# Altium PCB cheriot-test.PcbDoc (part 4 of 12) (continued)
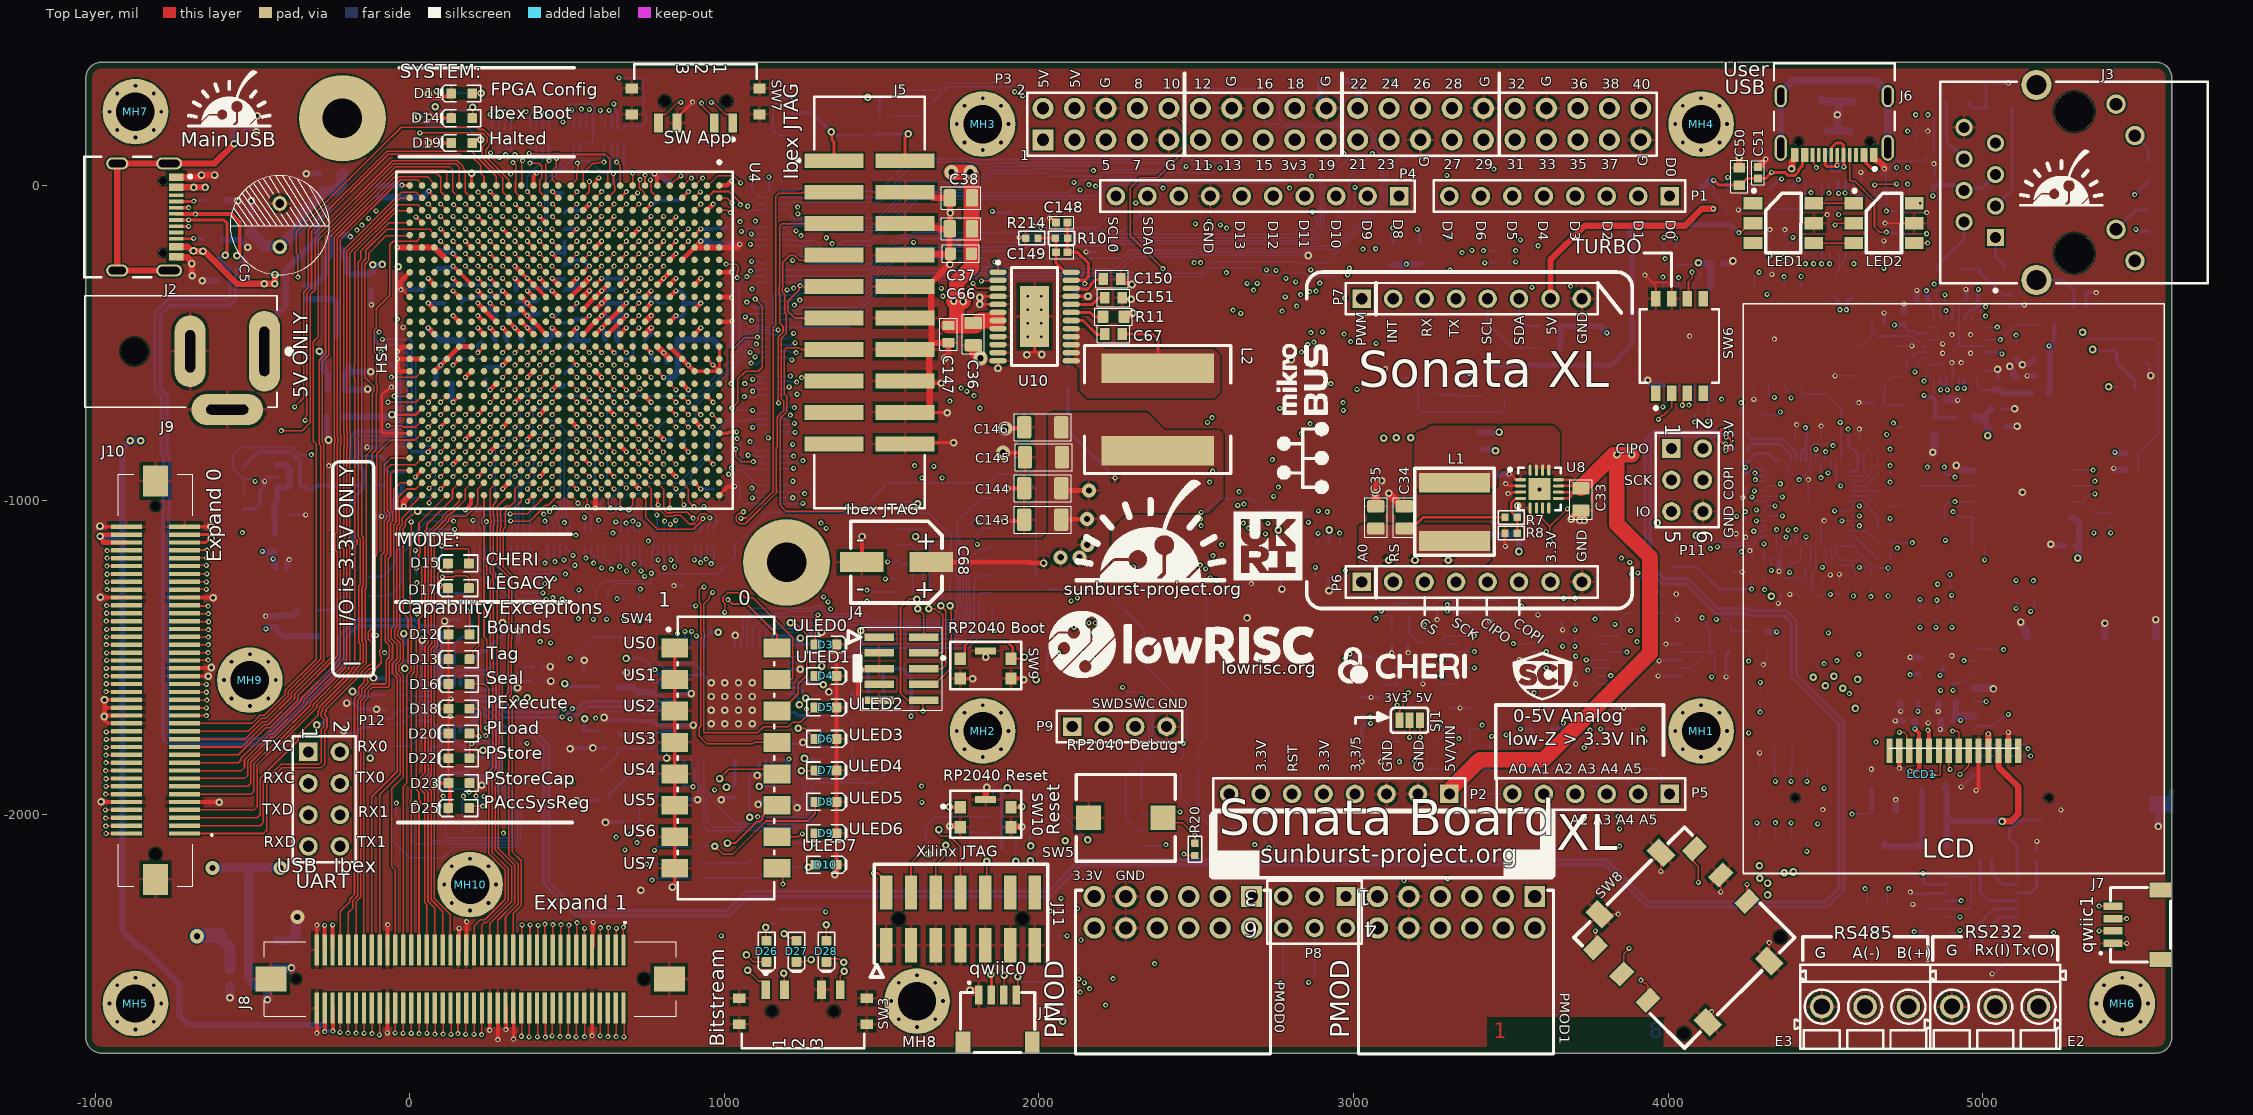
[diagram p0: Top Layer view]
## Nets (pads, with @x,y where several pads share a name; then routed paths per layer and width w, separated by ;. In a path a pad name is that pad's centre, name@x,y a point inside that pad or via, vN(x,y) a via of type N, cw(c..) or ccw(c..) an arc to the next point about the centre after c; other vN are vias at no path point) (continued)
  Int4 (Sign) w5: v1(649.61,-255.91) 628,-234.3 628,-203 621,-196 599,-196 590,-187 590,-42.93 593.8,-39.13 744.77,-39.13 790.86,6.96 790.86,9.81 803.67,22.62 803.67,72.89 821.79,91 1128.28,91 1203,16.28 1203,-130.94 1202.54,-131.4 1202.54,-154.64 1203,-155.1 1203,-159 1246.5,-202.5 1253.7,-202.5 1274.5,-223.3 1274.5,-230.5 1400.43,-356.43 1491.43,-356.43 1617,-481.99 1617,-789.86 1709,-881.86 1709,-1190.71 1875.29,-1357 2064.34,-1357 2100.84,-1320.5 v1(2102.51,-1320.5)
  Bottom Layer w5: v1(3904,-1230.98) 3906.1,-1233.09 3906.1,-1238.1 3934.19,-1266.19 3946.27,-1266.19 R117.2@3986.3,-1306.22
ANALOG5_P: C107.1 R114.2 U4.L8 | length 5013.3
  Top Layer w5: U4.L8@590.55,-275.59 v1(610.24,-255.91)
  Int1 (Sign) w5: v1(2122,-1311) 2138.58,-1294.42 2286.19,-1294.42 2289.63,-1297.86 2397.11,-1297.86 2409.82,-1285.15 2409.82,-1282.61 2421.42,-1271 2571.42,-1271 2580.61,-1261.81 2618.46,-1261.81 2639.08,-1241.19 2662.17,-1241.19 2669.17,-1234.19 2682.01,-1234.19 2689.02,-1241.19 2846.93,-1241.19 2891.5,-1285.76 2891.5,-1291.22 2908.78,-1308.5 2933.22,-1308.5 2934.77,-1306.95 3525.93,-1306.95 3556.35,-1337.37 3641.76,-1337.37 3652.76,-1348.37 3719.21,-1348.37 3730.21,-1337.37 3780.99,-1337.37 v1(3883.38,-1234.98)
  Int4 (Sign) w5: v1(610.24,-255.91) 607.91,-255.91 592,-240 592,-204.93 585.07,-198 553,-198 548.93,-193.93 548.93,-22.07 568,-3 766.75,-3 780.86,11.11 780.86,13.95 793.67,26.76 793.67,77.03 817.64,101 1132.43,101 1213,20.43 1213,-141.82 1212.82,-142 1212.82,-150.78 1254.54,-192.5 1257.85,-192.5 1284.5,-219.15 1284.5,-222.46 1408.47,-346.43 1495.58,-346.43 1627,-477.85 1627,-785.72 1719,-877.72 1719,-1186.57 1876.43,-1344 2046,-1344 2085,-1305 2113.02,-1305 2119.02,-1311 v1(2122,-1311)
  Bottom Layer w5: v1(3883.38,-1234.98) 3883.38,-1251.6 C107.1@3887.87,-1256.09 3886.3,-1257.67 R114.2@3886.3,-1306.22
APPSPI_CLK: R52.2 U4.D19 | length 6352.5
  Top Layer w5: U4.D19@866.14,-708.66 v1(885.83,-728.35)
  Int3 (Sign) w5: v1(885.83,-728.35) 909.7,-752.22 909.7,-777.44 920.07,-787.82 920.07,-880.95 1007.83,-968.71 1007.83,-972.89 1022.76,-987.83 1023,-988.06 1023,-1027.94 1022.5,-1028.44 1022.5,-1049.56 1023,-1050.06 1023,-1063.14 1025.5,-1065.64 1025.5,-1070.56 1029.5,-1074.56 1029.5,-1323.92 1011.92,-1341.5 994.58,-1341.5 944.08,-1392 933.28,-1392 932.78,-1391.5 886.01,-1391.5 883.51,-1389 835.3,-1389 795.5,-1428.8 795.5,-1504.98 814.5,-1523.98 814.5,-1553.39 795.5,-1572.39 795.5,-1646.22 797,-1647.72 797,-1996.29 1037.21,-2236.5 1166.25,-2236.5 1175.71,-2245.96 2025.82,-2245.96 2122,-2342.14 2122,-2364.63 2181.37,-2424 3721.78,-2424 3844.55,-2546.78 3880.56,-2546.78 3898.7,-2564.92 3953.08,-2564.92 3980,-2538 4046.64,-2538 4067.64,-2517 4139,-2517 4522,-2134 4522,-1778 4451,-1707 4325,-1707 v1(4292,-1674)
  Bottom Layer w5: v1@4291,-1674 4292,-1673 4292,-1651.69 R52.2@4291,-1650.69
APPSPI_CS: R50.2 U4.A20 | length 7200.2
  Top Layer w5: v1(961.5,-728.35) 963.03,-728.35 982.72,-748.03 U4.A20@984.25,-748.03
  Int3 (Sign) w5: v1(961.5,-728.35) 941.15,-708 841.93,-708 830.96,-718.97 830.96,-780.75 842.59,-792.38 842.59,-821.79 842.22,-822.16 842.22,-845.52 888.04,-891.35 888.04,-896.33 930.78,-939.07 935.76,-939.07 950.7,-954 950.7,-959.84 985,-994.14 985,-1291.8 978.21,-1298.59 978.21,-1299.09 976,-1301.3 976,-1307.36 924.36,-1359 922.06,-1359 919.56,-1361.5 898.44,-1361.5 895.94,-1359 822.87,-1359 796.87,-1385 795.35,-1385 765,-1415.35 765,-1530.77 763.5,-1532.27 763.5,-1545.11 765,-1546.61 765,-1658.15 767,-1660.15 767,-2008.72 1051.28,-2293 1962.14,-2293 2064.5,-2395.36 2064.5,-2395.56 2070,-2401.06 2070,-2424.57 2121.43,-2476 2126.57,-2476 2237.35,-2586.78 3863.99,-2586.78 3882.13,-2604.92 3996.57,-2604.92 4006.57,-2594.92 4053.41,-2594.92 4076.57,-2571.76 4240.51,-2571.76 4255.27,-2557 4269.41,-2557 4567.93,-2258.48 4567.93,-1792.22 4748.9,-1611.26 4748.9,-1497.85 4826.82,-1419.92 4857.4,-1419.92 5005.98,-1271.34 v1(5005.98,-1189.92)
  Bottom Layer w5: R50.2@5005.67,-1149.82 5005.98,-1150.13 v1(5005.98,-1189.92)
APPSPI_D0: R47.1 U4.C19 | length 3026.9
  Top Layer w5: U4.C19@905.51,-708.66 v1(925.2,-728.35)
  Int3 (Sign) w5: v1(925.2,-728.35) 925.2,-745.8 940.7,-761.3 940.7,-887.44 1017.83,-964.57 1017.83,-968.75 1032.34,-983.26 1032.57,-983.26 1035.5,-986.19 1035.5,-1066.42 1039.5,-1070.42 1039.5,-1340.65 979.65,-1400.5 972.92,-1400.5 971.42,-1402 929.14,-1402 928.64,-1401.5 881.87,-1401.5 879.37,-1399 839.44,-1399 805.5,-1432.94 805.5,-1500.84 824.5,-1519.84 824.5,-1557.53 805.5,-1576.53 805.5,-1642.08 807,-1643.58 807,-1782 836,-1811 836,-1828.08 824.58,-1839.5 824.5,-1839.5 807,-1857 807,-1992.15 1041.35,-2226.5 1170.39,-2226.5 1179.85,-2235.96 2037.74,-2235.96 2067.45,-2265.67 v1(2070.39,-2265.67)
  Bottom Layer w5: R47.1@2052,-2346.32 2070.39,-2327.93 v1(2070.39,-2265.67)
APPSPI_D1: R48.1 U4.E20 | length 7064.1
  Top Layer w5: U4.E20@826.77,-748.03 v1(846.46,-767.72)
  Int3 (Sign) w5: v1(846.46,-767.72) 846.46,-782.11 852.59,-788.24 852.59,-841.75 898.04,-887.21 898.04,-892.19 934.92,-929.07 939.9,-929.07 960.7,-949.86 960.7,-955.7 995,-990 995,-1295.94 988.21,-1302.73 988.21,-1303.23 986,-1305.44 986,-1311.5 928.5,-1369 926.2,-1369 923.7,-1371.5 894.3,-1371.5 891.8,-1369 827.01,-1369 775.5,-1420.51 775.5,-1513.27 794.5,-1532.27 794.5,-1545.11 775.5,-1564.11 775.5,-1654.51 777,-1656.01 777,-2004.57 1052.43,-2280 2031.57,-2280 2090,-2338.43 2090,-2368.86 2090.64,-2369.5 2096.42,-2369.5 2105.5,-2378.58 2105.5,-2391.42 2100,-2396.92 2100,-2407 2230.5,-2537.5 2249.78,-2556.78 3876.41,-2556.78 3894.56,-2574.92 3960.78,-2574.92 3970.78,-2564.92 4033.86,-2564.92 4071.78,-2527 4242.86,-2527 4326.91,-2442.95 4341.03,-2442.95 4449.84,-2334.14 4449.84,-2322.01 4537.93,-2233.92 4537.93,-1968.44 4535.98,-1966.49 4535.98,-1784.87 4537.93,-1782.92 4537.93,-1779.79 4540.98,-1776.74 4540.98,-1611.56 4535.5,-1606.08 4535.5,-1589.92 4540.98,-1584.44 4540.98,-1576.84 4659.87,-1457.96 4659.87,-1312.65 4666.08,-1306.44 4666.08,-1226.55 4692.39,-1200.24 4730.01,-1200.24 4749.79,-1180.46 4749.79,-1139.2 4769.56,-1119.42 4869.7,-1119.42 4878.07,-1127.79 v1(4881.05,-1127.79)
  Bottom Layer w5: v1(4881.05,-1127.79) 4881.05,-1120.83 R48.1@4881.05,-1102.98
APPSPI_D2: R49.1 U4.D20 | length 8361.3
  Top Layer w5: U4.D20@866.14,-748.03 v1(885.83,-767.72)
  Int3 (Sign) w5: v1(885.83,-767.72) 909,-790.89 909,-889 939.07,-919.07 944.04,-919.07 970.7,-945.72 970.7,-950.7 1005,-985 1005,-1300.08 998.5,-1306.58 998.5,-1307.08 996,-1309.58 996,-1315.64 932.64,-1379 930.35,-1379 927.85,-1381.5 890.15,-1381.5 887.65,-1379 831.15,-1379 785.5,-1424.65 785.5,-1509.12 804.5,-1528.12 804.5,-1549.25 785.5,-1568.25 785.5,-1650.36 787,-1651.86 787,-2000.43 1056.57,-2270 2035.72,-2270 2100,-2334.28 2100,-2358.94 2115.5,-2374.44 2115.5,-2401.64 2119.23,-2405.37 2119.23,-2405.69 2128.31,-2414.77 2128.63,-2414.77 2234.66,-2520.81 v1(2235.73,-2520.81) ; v1(2212,-2605) 2213,-2604 2215.78,-2606.78 3855.7,-2606.78 3873.85,-2624.92 4004.85,-2624.92 4014.85,-2614.92 4061.69,-2614.92 4081.69,-2594.92 4430.98,-2594.92 4648.48,-2377.42 4648.48,-2347.67 4726.48,-2269.67 4726.48,-2077.6 4587.93,-1939.05 4587.93,-1800.5 4758.52,-1629.92 4760.98,-1629.92 4880.77,-1510.13 4917.79,-1510.13 5058.56,-1369.37 5111.01,-1369.37 5112.4,-1367.98 5128.55,-1367.98 5129.93,-1369.37 5186.54,-1369.37 5442.68,-1113.23 5442.68,-1109.09 5280.53,-946.94 5280.53,-916.89 5253.07,-889.42 5097.39,-889.42 5039.7,-947.11 4960.37,-947.11 4940.11,-926.85 v1(4911.81,-926.85)
  Int6 (Sign) w5: v1(2212,-2605) 2229.14,-2587.86 2229.14,-2538.81 2233.62,-2534.33 2233.62,-2522.91 v1(2235.73,-2520.81)
  Bottom Layer w5: v1(4877.98,-895.42) 4880.33,-897.77 4880.33,-901.73 4880.98,-902.39 R49.1@4880.98,-920.24 4905.2,-920.24 v1(4911.81,-926.85)
APPSPI_D3: R51.1 U4.B20 | length 7871
  Top Layer w5: U4.B20@944.88,-748.03 944.88,-748.51 963.6,-767.23 v1(963.6,-767.72)
  Int3 (Sign) w5: v1@965.71,-767.71 965.71,-757.29 977,-746 977,-721.93 963.74,-708.66 962.33,-708.66 922.67,-669 832,-669 820.96,-680.04 820.96,-784.89 832.59,-796.52 832.59,-817.65 829.18,-821.06 829.18,-833.48 832.22,-836.52 832.22,-855.5 847.04,-870.33 852.88,-870.33 878.04,-895.49 878.04,-900.47 926.64,-949.07 931.62,-949.07 940.7,-958.15 940.7,-963.98 975,-998.28 975,-1206.92 951,-1230.92 951,-1268.63 951.47,-1269.1 951.47,-1281.94 947.21,-1286.2 947.21,-1307.79 924.5,-1330.5 924.5,-1342.42 915.42,-1351.5 902.58,-1351.5 900.08,-1349 818.73,-1349 792.73,-1375 791.2,-1375 755,-1411.2 755,-1526.62 753.5,-1528.12 753.5,-1549.25 755,-1550.75 755,-1662.29 757,-1664.29 757,-2012.86 1121.64,-2377.5 1162.92,-2377.5 1181.92,-2358.5 1304.92,-2358.5 1315.92,-2369.5 1968.64,-2369.5 1980.64,-2381.5 2036.5,-2381.5 2054.5,-2399.5 2054.5,-2399.7 2060,-2405.2 2060,-2428.71 2117.29,-2486 2122.43,-2486 2233.21,-2596.78 3859.85,-2596.78 3877.99,-2614.92 4000.71,-2614.92 4010.71,-2604.92 4057.55,-2604.92 4080.71,-2581.76 4376.06,-2581.76 4716.48,-2241.34 4716.48,-2081.75 4603.96,-1969.22 4581.14,-1969.22 4577.93,-1966.01 4577.93,-1796.36 4926.04,-1448.25 4935.08,-1448.25 5143.09,-1240.24 5272.97,-1240.24 5355.97,-1157.24 5355.97,-1154.43 v1(5405.98,-1104.42)
  Bottom Layer w5: v1(5405.98,-1104.42) R51.1@5405.98,-1079.61
CHA_TCK: SW1.3 U5.16 | length 2206.3
  Int3 (Sign) w5: v1(851,-1424.5) 851,-1462 888,-1499 1285.78,-1499 1328.3,-1456.48 2191.69,-1456.48 2325.98,-1590.78 v1(2325.98,-1629.92)
  Bottom Layer w5: U5.16@845.35,-1498.23 848.76,-1498.23 851,-1495.99 v1(851,-1424.5) ; SW1.3@2325.98,-2049.92 2315.94,-2049.92 2275.98,-2009.96 2275.98,-1874.92 2350.98,-1799.92 2350.98,-1656.84 2325.98,-1631.84 v1(2325.98,-1629.92)
CHA_TDI: SW1.1 U5.17 | length 2128.5
  Int3 (Sign) w5: v1(875,-1417.5) 872.02,-1417.5 863.52,-1409 843.58,-1409 835.5,-1417.08 835.5,-1462.5 882,-1509 1289.93,-1509 1332.44,-1466.48 2187.55,-1466.48 2265.98,-1544.92 v1(2265.98,-1594.92)
  Bottom Layer w5: v1(875,-1417.5) 875.43,-1417.93 875.43,-1467.28 U5.17@875.87,-1467.72 ; v1(2265.98,-1594.92) 2281.33,-1610.26 2328.25,-1610.26 2360.98,-1643 2360.98,-1804.06 2325.98,-1839.06 SW1.1@2325.98,-1949.92
CHA_TDO: SW1.2 U5.18 | length 2230.7
  Int3 (Sign) w5: v1(896,-1417) 898.1,-1414.9 911.09,-1414.9 914.49,-1411.5 924.5,-1411.5 930,-1417 930,-1475 934,-1479 1277.5,-1479 1320.02,-1436.48 2212.55,-1436.48 2447.98,-1671.92 2447.98,-1762.46 2443.56,-1766.89 2443.56,-1779.73 2447.98,-1784.15 v1(2447.98,-1990.92)
  Bottom Layer w5: U5.18@895.55,-1467.72 895.55,-1438.38 895.5,-1438.33 895.5,-1417.5 v1(896,-1417) ; SW1.2@2325.98,-1999.92 2394.52,-1999.92 2403.52,-1990.92 v1(2447.98,-1990.92)
CHA_TMS: SW1.4 U5.19 | length 2212.9
  Int3 (Sign) w5: v1(911,-1431.7) 911,-1479 921,-1489 1281.64,-1489 1324.16,-1446.48 2197.55,-1446.48 2360.29,-1609.23 2360.29,-1726.59 2410.98,-1777.29 2410.98,-2084.46 2403.5,-2091.94 v1(2403.5,-2094.92)
  Bottom Layer w5: v1(911,-1431.7) 911,-1434.67 915.24,-1438.91 U5.19@915.24,-1467.72 ; SW1.4@2325.98,-2099.92 2385.5,-2099.92 2388.4,-2097.03 2401.4,-2097.03 v1(2403.5,-2094.92)
CHB_GPIOL2: SW2.7 U5.33 | length 798.4
  Bottom Layer w5: U5.33@1201.65,-1498.23 1267.63,-1498.23 1270.36,-1495.5 1334.7,-1495.5 1337.43,-1498.23 1401.77,-1498.23 1443.39,-1456.61 1768.39,-1456.61 1810,-1415 1810,-1297.93 1812.93,-1295 SW2.7@1845,-1295
CHB_GPIOL3: SW2.8 U5.34 | length 758.4
  Bottom Layer w5: U5.34@1205,-1520 1208.01,-1516.99 1223.01,-1516.99 1225,-1515 1265,-1515 1274.5,-1505.5 1325.5,-1505.5 1335,-1515 1400,-1515 1445,-1470 1775,-1470 1852.13,-1392.87 SW2.8@1852.13,-1342.13
CHB_nRST: SW2.5 U5.30 | length 999.9
  Bottom Layer w5: U5.30@1131.77,-1467.72 1131.77,-1410.5 1135,-1407.27 1186.41,-1407.27 1198.64,-1419.5 1231.36,-1419.5 1243.59,-1407.27 1249.68,-1407.27 1257.04,-1399.91 1313.37,-1399.91 1315.01,-1401.55 1318.03,-1401.55 1350.97,-1434.5 1443.58,-1434.5 1453.08,-1425 1739.57,-1425 1779,-1385.57 1779,-1367.15 1781.5,-1364.65 1781.5,-1315.35 1779,-1312.85 1779,-1211 1800,-1190 SW2.5@1840,-1190
CHB_nSRST: SW2.6 U5.32 | length 880.2
  Bottom Layer w5: U5.32@1171.14,-1467.72 1172.07,-1466.79 1172.07,-1452.93 1175,-1450 1212.32,-1450 1242.32,-1480 1405,-1480 1438.39,-1446.61 1445.61,-1446.61 1452.22,-1440 1745,-1440 1795,-1390 1795,-1255 1810,-1240 SW2.6@1845,-1240
CHB_TCK: SW2.1 U5.26 | length 1262.6
  Bottom Layer w5: U5.26@1053.03,-1467.72 1053.03,-1439.55 1060,-1432.58 1060,-1370 1086.67,-1343.33 1279.85,-1343.33 1285.67,-1337.5 1289.5,-1337.5 1290.5,-1336.5 1305.56,-1336.5 1306.56,-1337.5 1306.8,-1337.5 1321.74,-1352.44 1321.74,-1352.67 1328.45,-1359.38 1329.41,-1359.38 1331.58,-1361.55 1441.55,-1361.55 1445.5,-1365.5 1454.5,-1365.5 1469,-1380 1728,-1380 1739,-1369 1739,-1350.58 1741.5,-1348.08 1741.5,-1331.92 1739,-1329.42 1739,-1070.13 1817,-992.13 SW2.1@1852.13,-992.13
CHB_TDI: SW2.2 U5.27 | length 1208.7
  Bottom Layer w5: U5.27@1072.72,-1467.72 1072.72,-1375.21 1087.43,-1360.5 1195.61,-1360.5 1202.78,-1353.33 1283.99,-1353.33 1289.82,-1347.5 1302.66,-1347.5 1311.74,-1356.58 1311.74,-1356.82 1324.31,-1369.38 1325.27,-1369.38 1327.44,-1371.55 1436.55,-1371.55 1440.5,-1375.5 1450.36,-1375.5 1464.86,-1390 1659.14,-1390 1732.14,-1390 1749,-1373.14 1749,-1354.72 1751.5,-1352.22 1751.5,-1327.78 1749,-1325.28 1749,-1300.14 1749,-1109.08 1807.58,-1050.5 1854.5,-1050.5 SW2.2@1860,-1045
CHB_TDO: SW2.3 U5.28 | length 1111.9
  Bottom Layer w5: U5.28@1092.4,-1467.72 1092.4,-1402.43 1124.33,-1370.5 1201.92,-1370.5 1202.35,-1370.07 1281.39,-1370.07 1291.23,-1379.91 1321.65,-1379.91 1323.3,-1381.55 1326.31,-1381.55 1330.26,-1385.5 1446.22,-1385.5 1460.72,-1400 1702.57,-1400 1736.28,-1400 1759,-1377.28 1759,-1358.86 1761.5,-1356.36 1761.5,-1323.64 1759,-1321.14 1759,-1150.63 1819.63,-1090 SW2.3@1850,-1090
CHB_TMS: SW2.4 U5.29 | length 1045.6
  Bottom Layer w5: U5.29@1110,-1465 1112.09,-1462.91 1112.09,-1407.91 1122.73,-1397.27 1190.55,-1397.27 1202.78,-1409.5 1227.22,-1409.5 1239.45,-1397.27 1245.54,-1397.27 1252.9,-1389.91 1317.51,-1389.91 1319.15,-1391.55 1322.17,-1391.55 1327.89,-1397.27 1424.15,-1397.27 1425.92,-1395.5 1442.08,-1395.5 1456.58,-1410 1715,-1410 1740.43,-1410 1769,-1381.43 1769,-1363 1771.5,-1360.5 1771.5,-1319.5 1769,-1317 1769,-1198.42 1812.83,-1154.59 1839.67,-1154.59 SW2.4@1852.13,-1142.13
CHC_RXD: P12.3 U5.39 | length 2303.6
  Int6 (Sign) w5: P12.3@-321.85,-1900.35 -273,-1851.5 -273,-1799.14 -237.19,-1763.33 -205.67,-1763.33 -177,-1792 -177,-1855.86 -134,-1898.86 -134,-2013.07 -131.07,-2016 247,-2016 261,-2002 348,-2002 379,-2033 580.5,-2033 631.5,-1982 1065.14,-1982 1071.64,-1975.5 1074.07,-1975.5 1077,-1972.57 1077,-1952.14 1084.14,-1945 1108.28,-1945 1111.28,-1948 1135.72,-1948 1138.73,-1945 1187.58,-1945 1220.58,-1912 1234.72,-1912 1274.5,-1872.22 1274.5,-1858.08 1284.5,-1848.08 1284.5,-1709.76 1242.39,-1667.65 1242.39,-1653.96 v2(1238.76,-1650.32) ; v2@1236,-1650.32 v2@1236,-1648
  Bottom Layer w8: U5.39@1201.65,-1616.34 1224.41,-1616.34 1229.09,-1621.02 1229.09,-1621.21 1227.71,-1622.59 1235.69,-1630.57 1235.69,-1647.26 v2(1238.76,-1650.32)
CHC_TXD: P12.1 U5.38 | length 2297.4
  Int6 (Sign) w5: P12.1@-321.85,-1800.35 -294.82,-1773.33 -261.33,-1773.33 -241.33,-1753.33 -201.53,-1753.33 -166.86,-1788 -166.86,-1851.86 -124,-1894.72 -124,-2003.07 -121.07,-2006 242,-2006 259,-1989 350,-1989 384,-2023 575,-2023 626,-1972 1061,-1972 1067,-1966 1067,-1948 1080,-1935 1112.42,-1935 1115.43,-1938 1131.58,-1938 1134.59,-1935 1172,-1935 1204.46,-1902.54 1204.46,-1902 ; 1203,-1902 1204.46,-1902 ; v2@1253,-1629 1253,-1628.72 1249.84,-1625.56 1239.84,-1625.56 1236.35,-1622.07 1226.93,-1622.07 1218,-1631 1218,-1668 1271,-1721 1271,-1738 1274.5,-1741.5 1274.5,-1841.57 1264.5,-1851.57 1264.5,-1868.08 1230.58,-1902 1204.46,-1902
  Bottom Layer w8: U5.38@1201.65,-1596.65 1241.65,-1596.65 1247.31,-1602.31 1247.31,-1613.56 1258.61,-1624.86 v2(1258.61,-1629.19)
CHD_RXD: P12.7 U5.52 | length 1701.9
  Int6 (Sign) w5: P12.7@-321.85,-2100.35 -273,-2051.5 -199.5,-2051.5 -163.5,-2087.5 636.94,-2087.5 645.94,-2096.5 694.36,-2096.5 699.64,-2101.78 699.64,-2108.64 706,-2115 754.08,-2115 864.08,-2005 1077.98,-2005 v2(1081.16,-2008.19)
  Bottom Layer w5: v2(1081.16,-2008.19) 1080,-2007.02 1080,-1872.42 1096.92,-1855.5 1102.87,-1855.5 1112.09,-1846.28 U5.52@1112.09,-1824.02
CHD_TXD: P12.5 U5.48 | length 1907.9
  Int6 (Sign) w5: P12.5@-321.85,-2000.35 -283.39,-2038.81 -198.04,-2038.81 -159.36,-2077.5 641.08,-2077.5 650.08,-2086.5 698.5,-2086.5 716,-2104 736,-2104 845,-1995 974.29,-1995 977.29,-1992 1070.28,-1992 1076.78,-1985.5 1088.08,-1985.5 1106.05,-2003.47 v1(1106.05,-2005.8)
  Bottom Layer w5: v1(1106.05,-2005.8) 1106.24,-2006 1225.72,-2006 1232.72,-1999 1248.07,-1999 1251,-1996.07 1251,-1893 1243,-1885 1242.42,-1885 1225,-1867.58 1225,-1807.01 1211.5,-1793.5 U5.48@1201.65,-1793.5
CHERIERR0: R139.1 SW2.10 U4.N8 | length 3335.4
  Top Layer w5: U4.N8@511.81,-275.59 v1(531.5,-255.91)
  Int1 (Sign) w5: v1(23,-1261.94) 23,-1259 55.58,-1226.42 55.58,-1024.5 46.5,-1015.42 46.5,-1004.5 32,-990 32,-933.98 33.56,-932.42 33.56,-916.63 32,-915.08 32,-526 -59,-435 -59,-388.93 -56.07,-386 27.5,-386 31.5,-390 91,-390 ; 91,-389.52 265.63,-389.52 276,-379.15 276,-361 282,-355 308,-355 319,-344 319,-282.93 322.93,-279 451.33,-279 474.42,-255.91 v1(531.5,-255.91)
  Int4 (Sign) w5: v1(289,-1240) 294.5,-1234.5 467.5,-1234.5 490.95,-1257.95 726.13,-1257.95 736.13,-1267.95 757.25,-1267.95 767.25,-1257.95 827.5,-1257.95 828.95,-1256.5 1029.5,-1256.5 1128,-1355 1271,-1355 1303,-1323 1309.08,-1323 1309.31,-1323.23 v1(1330.07,-1323.23)
  Int6 (Sign) w5: v1(23,-1261.94) 43.06,-1261.94 76.5,-1228.5 277.5,-1228.5 287,-1238 v1@293,-1238 ; v1(1330.07,-1323.23) 1330.23,-1323.07 1424.93,-1323.07 1437.91,-1310.09 1437.91,-1301.22 v1(1453,-1286.13)
  Bottom Layer w5: v1@21,-1260 23,-1262 23,-1286.57 R139.1@22.44,-1287.13 ; v1(1453,-1286.13) 1455.1,-1288.23 1467.11,-1288.23 1471,-1292.13 SW2.10@1552.13,-1292.13
CHERIERR1: R141.1 SW2.9 U4.K3 | length 3715.3
  Top Layer w5: U4.K3@629.92,-78.74 v1(649.61,-59.06)
  Int1 (Sign) w5: v1@416,-1451 416,-1449 407,-1440 407,-1379.28 388,-1360.28 388,-1280.3 394.5,-1273.8 394.5,-1250.3 398,-1246.8 398,-1186 497.3,-1086.71 498.34,-1086.71 507.42,-1077.63 507.42,-1064.78 506.5,-1063.86 506.5,-975.63 506,-975.13 506,-512 513,-505 624,-505 658,-471 822.72,-471 862,-431.72 862,-201 856,-195 787,-195 783.22,-191.22 783.22,-163.22 777,-157 763,-157 746,-140 746,-102.93 743.07,-100 692,-100 686,-94 ; v1(649.61,-59.06) 685.28,-94.72
  Int4 (Sign) w5: v1(415,-1450) 415,-1406 474.25,-1346.75 647.17,-1346.75 673.42,-1320.5 957.45,-1320.5 977.45,-1300.5 1044.5,-1300.5 1109,-1365 1275.14,-1365 1300.14,-1340 1307.01,-1340 1316.01,-1349 1325,-1349 1325.84,-1348.16 1335.9,-1348.16 v1(1338,-1346.05)
  Int6 (Sign) w5: v1(23,-1361.19) 23,-1362 129,-1468 397,-1468 v1(415,-1450) ; v1(1338,-1346.05) 1432.95,-1346.05 1441.92,-1337.08 1441.92,-1332.08 v1(1453,-1321)
  Bottom Layer w5: R141.1@22.44,-1337.13 23,-1337.69 v1(23,-1361.19) ; v1(1453,-1321) 1520.96,-1321 1542.09,-1342.13 SW2.9@1552.13,-1342.13
CHERIERR2: R143.1 U4.J3 | length 3125.1
  Top Layer w5: U4.J3@669.29,-78.74 v1(688.98,-59.06)
  Int1 (Sign) w5: v1(516,-1897) 536,-1877 536,-1805.72 539.5,-1802.22 539.5,-1734.33 536.34,-1731.17 536.34,-1705.15 536.64,-1704.85 536.64,-1687.42 539.5,-1684.56 539.5,-1676.56 542.5,-1673.57 542.5,-1652.44 539.5,-1649.45 539.5,-1555.5 453.5,-1469.5 441.58,-1469.5 432.5,-1460.42 432.5,-1448.5 430.5,-1446.5 430.5,-1443.58 421.42,-1434.5 418.5,-1434.5 417,-1433 417,-1375.14 398,-1356.14 398,-1284.44 404.5,-1277.94 404.5,-1254.44 408,-1250.94 408,-1194 516.5,-1085.5 516.5,-1082.69 517.42,-1081.77 517.42,-1060.64 516.5,-1059.72 516.5,-971.49 516,-970.99 516,-520 521,-515 637,-515 669,-483 824.86,-483 876,-431.86 876,-194 866,-184 866,-160.93 863.07,-158 796,-158 789,-151 789,-88 781,-80 710,-80 ; v1(688.98,-59.06) 709.96,-80.04
  Int6 (Sign) w5: v1(-42,-1963) -42,-1983 -29,-1996 237.86,-1996 254.86,-1979 434,-1979 515,-1898 v1@515,-1896
  Bottom Layer w5: R143.1@-45.1,-1997.11 -45.1,-1966.1 v1(-42,-1963)
CHERIERR3: R145.1 U4.M7 | length 2310.5
  Top Layer w5: U4.M7@551.18,-236.22 v1(570.87,-216.54)
  Int1 (Sign) w5: v1(19,-1963.5) 62.95,-1963.5 68.95,-1957.5 111.42,-1957.5 121.5,-1947.42 121.5,-1856.5 121,-1856 121,-1830.14 75,-1784.14 75,-1404.31 71.37,-1400.67 71.37,-1229.57 75,-1225.94 75,-1017.92 77.5,-1015.42 77.5,-1002.58 68.42,-993.5 58.36,-993.5 43.56,-978.7 43.56,-521.44 96.74,-468.26 222.96,-468.26 237.14,-454.07 237.14,-449.6 251.32,-435.42 266.58,-435.42 280,-422 326,-422 356.56,-391.44 378.51,-391.44 409.07,-360.88 409.07,-356.15 446.08,-319.15 452.85,-319.15 492.22,-279.78 529.55,-279.78 549.15,-260.17 549.15,-238.25 v1(570.87,-216.54)
  Bottom Layer w5: R145.1@12,-1993 14.17,-1990.83 14.17,-1971.31 19,-1966.48 v1(19,-1963.5)
CHERIERR4: R146.1 U4.L7 | length 2330.8
  Top Layer w5: U4.L7@590.55,-236.22 v1(610.24,-216.54)
  Int1 (Sign) w5: v1(93.79,-1973) 95.29,-1974.5 109.29,-1974.5 111.79,-1977 119.21,-1977 137,-1959.21 137,-1957.2 135.5,-1955.7 135.5,-1926.3 137,-1924.8 137,-1832 87,-1782 87,-1402.17 81.37,-1396.53 81.37,-1233.71 85,-1230.08 85,-1140.08 87,-1138.08 87,-1020.06 87.5,-1019.56 87.5,-998.44 77,-987.94 77,-969.92 77.5,-969.42 77.5,-956.58 77,-956.08 77,-676 65,-664 65,-533 99.22,-498.78 184.22,-498.78 203,-480 350.14,-480 358.52,-471.63 401.37,-471.63 415,-458 415,-400 ; 414.86,-399.86 454.57,-360.15 463.06,-360.15 478,-345.21 478,-343.14 488.14,-333 515.69,-333 547,-301.7 547,-284.93 560.27,-271.66 577.03,-271.66 586.37,-262.33 586.37,-240.41 v1(610.24,-216.54)
  Bottom Layer w5: R146.1@60,-1997 60,-1980.03 67.03,-1973 v1(93.79,-1973)
CHERIERR5: R148.1 U4.M4 | length 2717.5
  Top Layer w5: U4.M4@551.18,-118.11 v1(570.87,-98.43)
  Int1 (Sign) w5: 1,-309 6.5,-314.5 226.5,-314.5 234.5,-306.5 ; 1,-307 -67,-307 -79,-319 -79,-443.28 0.93,-523.22 0.93,-907.06 -7.44,-915.44 -7.44,-936.56 6.5,-950.51 6.5,-1029.56 5.52,-1030.54 5.52,-1047.6 20.5,-1062.58 20.5,-1094.5 34,-1108 34,-1182 30,-1186 10,-1186 4,-1192 4,-1366 4.5,-1366.5 4.5,-1371.42 13.58,-1380.5 18.5,-1380.5 63,-1425 63,-1791.14 106,-1834.14 v1(106,-1941) ; 234,-306 234,-213 251,-196 584,-196 589,-191 589,-116.56 v1(570.87,-98.43)
  Bottom Layer w5: v1(106,-1941) 117,-1952 R148.1@117,-1999
CHERIERR6: R150.1 U4.L4 | length 2506
  Top Layer w5: U4.L4@590.55,-118.11 v1(610.24,-98.43)
  Int1 (Sign) w5: v1(236.5,-1941.5) 234,-1941.5 217.58,-1957.92 166,-1957.92 155.5,-1947.42 155.5,-1934.58 161,-1929.08 161,-1366.06 158.5,-1363.56 158.5,-1342.44 161,-1339.94 161,-689 122.3,-650.3 122.3,-549.56 153.08,-518.78 193.19,-518.78 208.97,-503 361.8,-503 373.17,-491.63 409.66,-491.63 418.28,-483 422,-483 437,-468 437,-406 462.85,-380.15 503.45,-380.15 533.45,-350.15 576,-350.15 ; 576.64,-350.79 586.37,-341.07 586.37,-336.6 612.19,-310.78 616.66,-310.78 665.11,-262.33 665.11,-216.89 668,-214 668,-180 627.67,-139.67 627.67,-115.86 v1(610.24,-98.43)
  Bottom Layer w5: v1(236.5,-1941.5) 238.6,-1939.4 248.1,-1939.4 249.5,-1938 255.63,-1938 R150.1@296.5,-1978.87
CHERIERR7: U4.L5 | length 2564.6
  Top Layer w5: U4.L5@590.55,-157.48 v1(610.24,-137.8)
  Int1 (Sign) w5: v1@296,-2061 v1@296,-2060 ; v1(297.5,-2058.5) v1@296,-2060 ; v1(610.24,-137.8) 630,-157.56 630,-258.06 610.42,-277.64 605.95,-277.64 591.62,-291.97 591.62,-296.45 568.92,-319.15 546.89,-319.15 523.03,-343 492.28,-343 488,-347.28 488,-349.35 467.2,-370.15 458.71,-370.15 425,-403.86 425,-465.86 417.86,-473 414.14,-473 405.52,-481.63 367.07,-481.63 365.69,-483 361.28,-483 354.28,-490 207.83,-490 189.05,-508.78 103.36,-508.78 79,-533.14 79,-656 89.5,-666.5 101.49,-666.5 113.93,-678.93 113.93,-1135 129.5,-1150.58 129.5,-1338.42 110.59,-1357.33 110.27,-1357.33 91.37,-1376.23 91.37,-1392.39 97,-1398.02 97,-1773 147,-1823 147,-1928.94 145.5,-1930.44 145.5,-1951.56 154,-1960.06 154,-1989 186,-2021 225,-2021 238,-2034 269,-2034 291.4,-2056.4 292.42,-2056.4 v1@296,-2059.98
  Bottom Layer w5: v1@297,-2060 297.5,-2059.5 v1(297.5,-2058.5)
CHERIERR8: R154.1 U4.K5 | length 2360.8
  Top Layer w5: U4.K5@629.92,-157.48 v1(649.61,-137.8)
  Int1 (Sign) w5: v1(171,-1941) 171,-1781 176,-1776 176,-1366.92 168.5,-1359.42 168.5,-1346.58 186,-1329.08 186,-1058.06 192.5,-1051.56 192.5,-1005.5 197,-1001 197,-676 157,-636 157,-529 157.22,-528.78 197.33,-528.78 213.11,-513 374,-513 385.37,-501.63 413.8,-501.63 420.43,-495 448.9,-495 585.39,-358.52 608.29,-358.52 625.74,-341.07 625.74,-336.6 686.74,-275.59 691.21,-275.59 704.48,-262.33 704.48,-236.52 709,-232 709,-165 703,-159 670.81,-159 v1(649.61,-137.8)
  Bottom Layer w5: R154.1@167,-1996.32 167,-1947.98 171,-1943.98 v1(171,-1941)
ETHAVCC: C120.1 C126.1 C130.1 J3.4 J3.5 L9.2 U6.16 | length 1187.5
  Int1 (Sign) w12: v1(4813.39,-667.01) 4750.39,-604.02 4750.39,-466.22 4770.08,-446.54 4770.08,-296.93 4844.88,-222.13 4844.88,-37.09 v1(4840.94,-33.15)
  Bottom Layer w5: C130.1@4840.98,-669.92 4844.64,-666.26 U6.16@4844.64,-613.43
  Bottom Layer w12: v1(4813.39,-667.01) 4819.7,-673.32 4841.28,-673.32 C130.1@4847.87,-679.92 4847.87,-735.47 C126.1@4845.98,-737.36 4913.54,-737.36 L9.2@4915.98,-734.92 ; v1(4840.94,-33.15) 4841.71,-32.38 4841.71,-2.31 C120.1@4845.98,1.97 4911.59,1.97 4928.99,-15.43 J3.4@4940.55,-15.43 4947.47,-8.51 4997.47,-8.51 J3.5@5040.55,34.57
ETHCLK: R123.2 R124.1 | length 5674.8
  Int1 (Sign) w5: v1(1308,-1073) 1326.86,-1073 1333.86,-1066 1371.65,-1066 1372.15,-1066.5 1409.85,-1066.5 1410.35,-1066 1765.14,-1066 1771.14,-1072 v1(1808,-1072)
  Int3 (Sign) w5: v1@1816,-709.73 1818.08,-707.65 2732.78,-707.65 2749.22,-724.09 2800.48,-724.09 2894.93,-629.63 2894.93,-626 2917.44,-603.5 2921.07,-603.5 2962.07,-562.5 3085.14,-562.5 3090.64,-557 3094.49,-557 3094.75,-556.74 4588.8,-556.74 4715.98,-683.92 v1(4715.98,-754.92)
  Int4 (Sign) w5: v1(759,-1130) 1045,-1130 1122.26,-1052.74 1287.74,-1052.74 v1(1308,-1073) ; v1(1808,-1072) 1808,-713 v1(1813,-708)
  Int6 (Sign) w5: 171.37,-1144 745,-1144 v1(759,-1130)
  Int6 (Sign) w6: v1(140,-1067) 138.09,-1068.91 137.09,-1068.91 137.09,-1069.91 127,-1080 127,-1099.63 171.37,-1144
  Bottom Layer w5: v1(4715.98,-754.92) 4729.45,-768.39 R124.1@4760.98,-768.39
  Bottom Layer w6: R123.2@-132.54,-1243 -87,-1243 -45,-1201 -45,-1167 55,-1067 v1(140,-1067)